# Altium PCB PCB.PcbDoc (part 2 of 3) (continued)
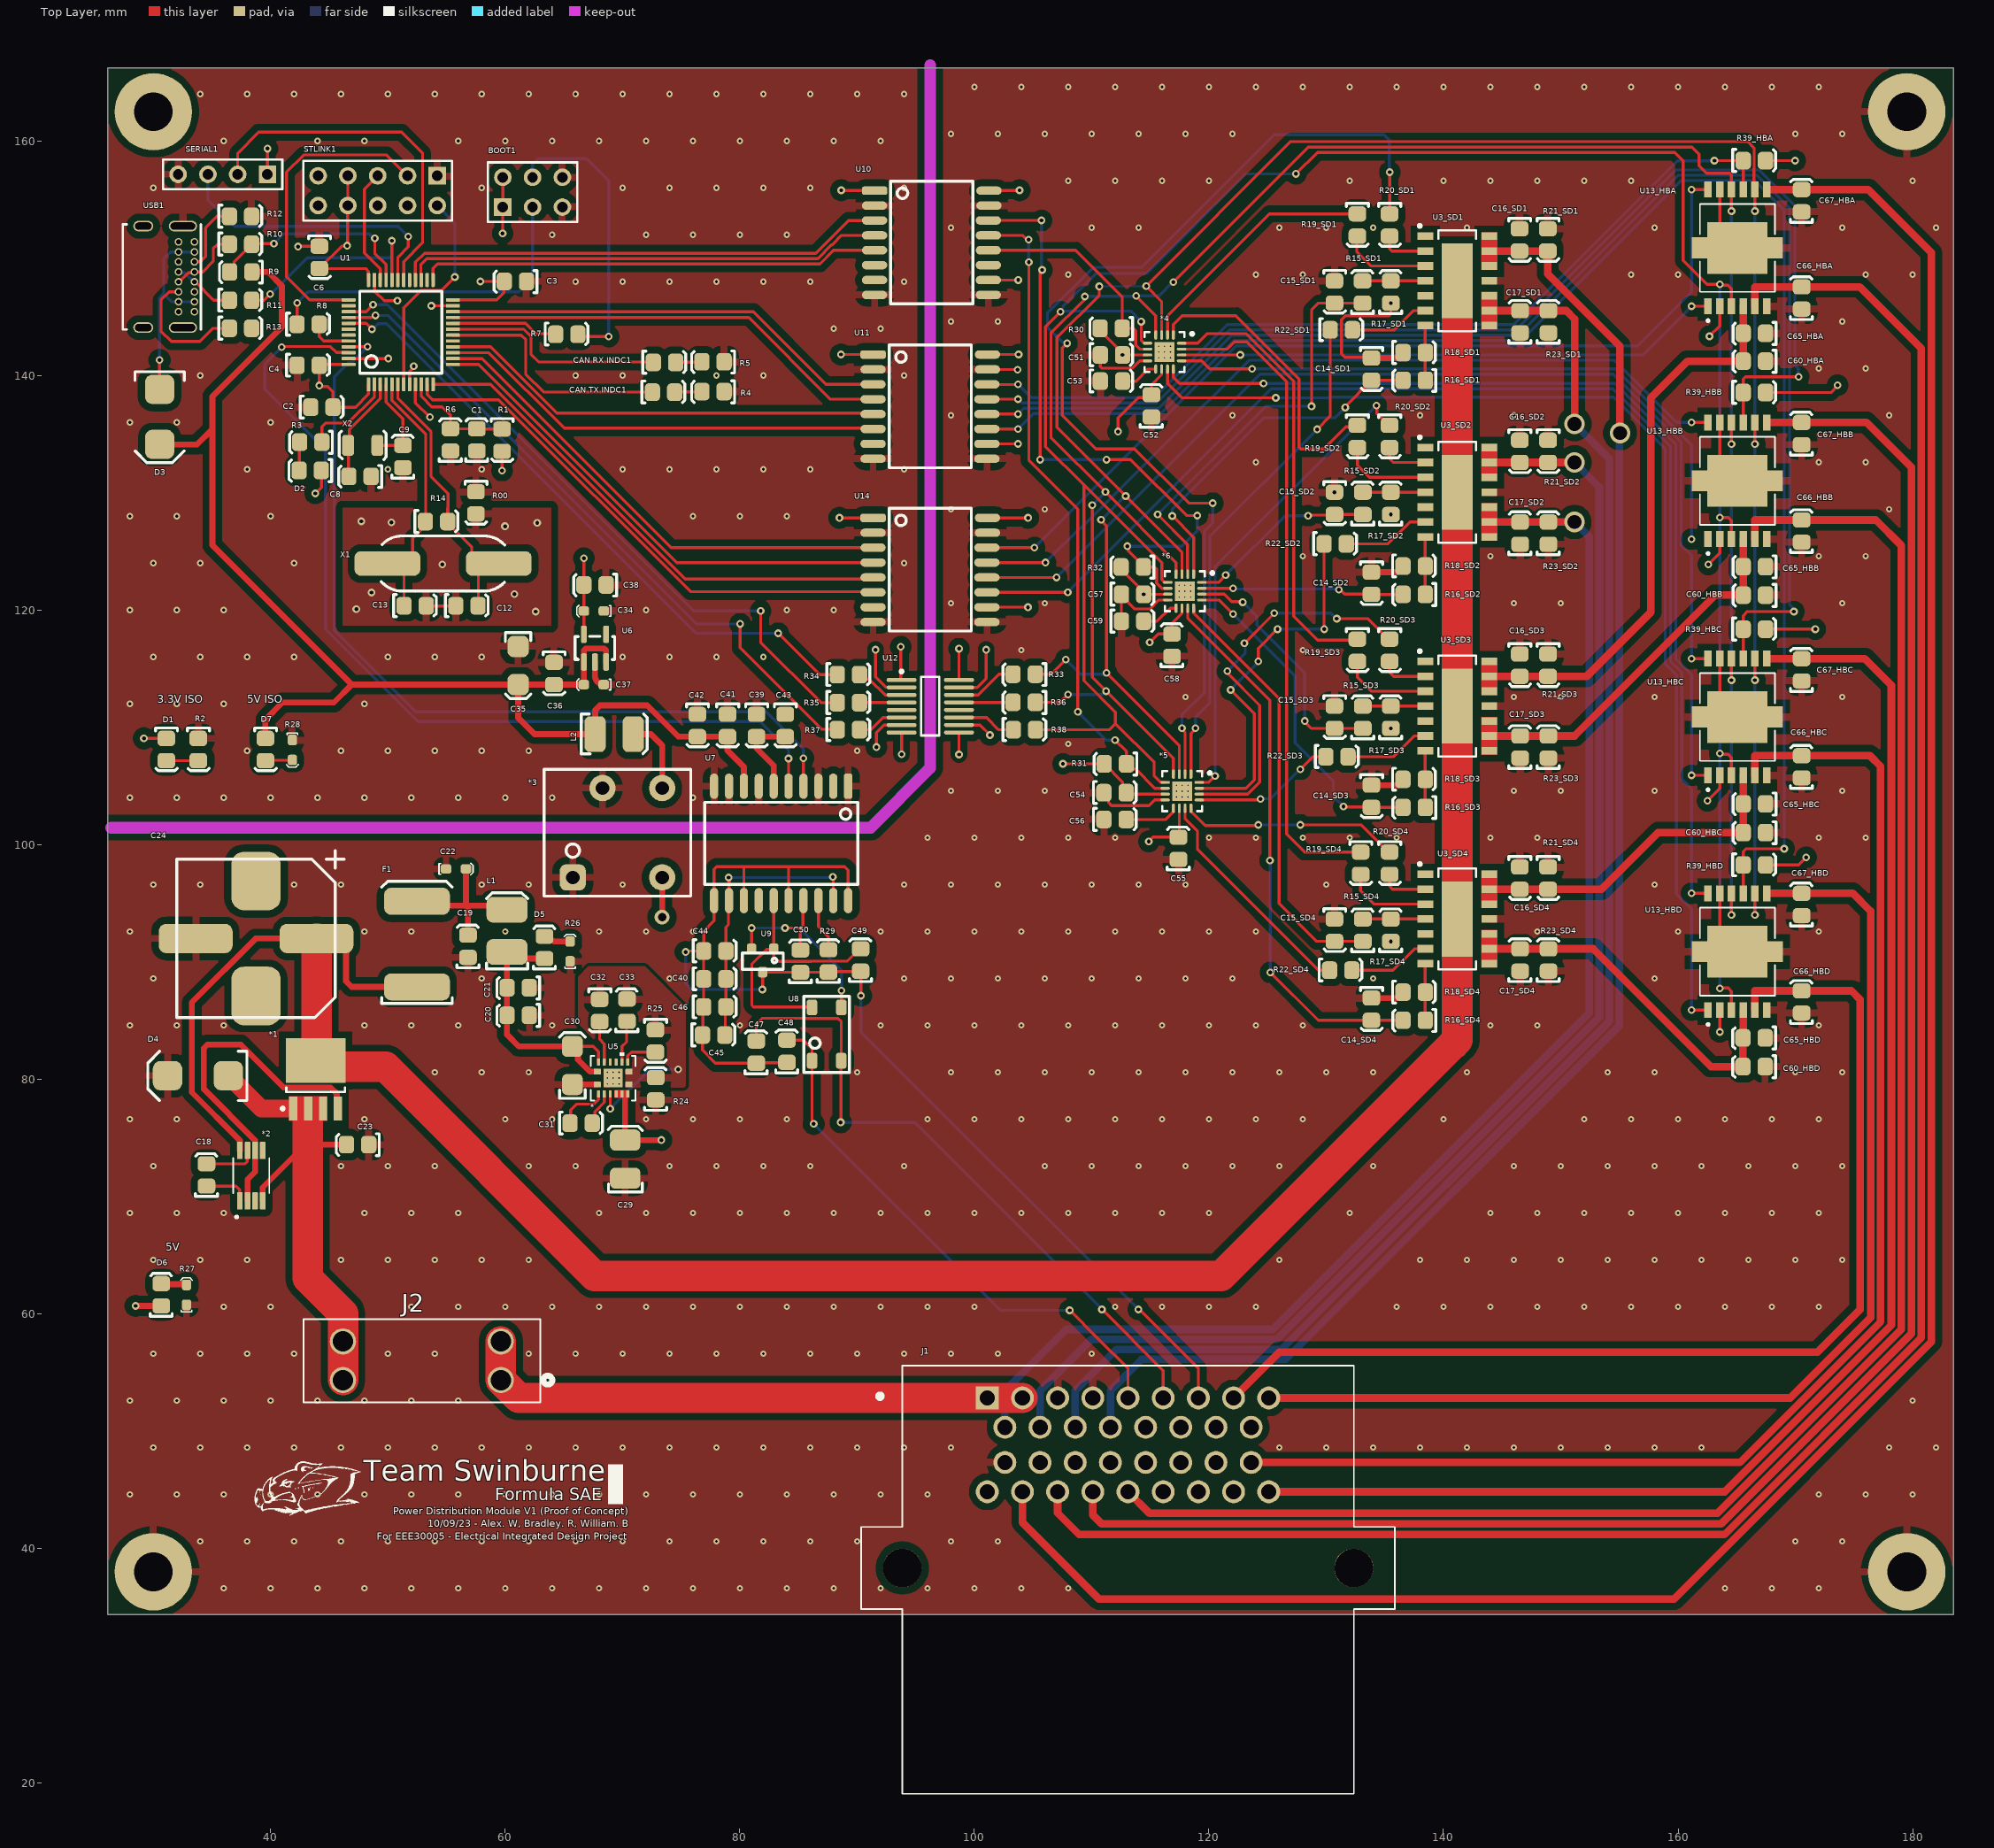
[diagram p0: Top Layer view]
## Nets (pads, with @x,y where several pads share a name; then routed paths per layer and width w, separated by ;. In a path a pad name is that pad's centre, name@x,y a point inside that pad or via, vN(x,y) a via of type N, cw(c..) or ccw(c..) an arc to the next point about the centre after c; other vN are vias at no path point) (continued)
  Top Layer w0.5: R33.1@105.197,114.532 R33.1@105.2,114.529
  Bottom Layer w0.15: v2@110.675,147.627 v2(114.65,147.627)
  Bottom Layer w0.25: v2(107.8,115.775) 109.049,114.526 v2@111.105,114.526 ; v2(110.803,127.699) 110.838,127.699 112.865,129.727 v2(112.9,129.727) ; v2(166.556,94.002) v2(166.556,114.027) v2(166.556,134.152) v2(166.556,154.027)
  Bottom Layer w0.5: v2(110.65,147.602) v2@110.675,147.627 ; v2@111.105,114.526 111.232,114.652 v2(111.275,114.652)
"MOSI (ISO)": R34.1 U1.41 | length 54.5
  Top Layer w0.25: U1.41@46.577,144.449 U1.41@46.64,144.449 48.126,144.449 v2(48.625,143.95) ; v2(83.277,118.03) 86.806,114.501 R34.1@88.31,114.501
  Bottom Layer w0.25: v2(48.625,143.95) 48.69,143.95 49.156,144.416 49.866,144.416 76.252,118.03 v2(83.277,118.03)
Net*1_1: *1.1 *1.2 *1.3 *2.4 C23.2 D4.A J2.3 J2.4 | length 39.4
  Top Layer w0.5: *2.4@39.317,69.627 39.317,70.767 41.956,73.406 43.15,73.406 ; 44.17,74.426 C23.2@46.462,74.426
  Top Layer w1.5: D4.A@36.4,80.302 39.2,77.502 *1.1@41.92,77.502 *1.2@43.19,77.502
  Top Layer w2.6: 43.15,76.225 43.15,73.406 43.15,63.025 46.163,60.012 J2.4@46.163,57.65 J2.3@46.163,54.348
Net*1_4: *1.4 *2.2 *2.6 | length 29.6
  Top Layer w0.5: *2.2@38.017,69.627 38.017,71.448 38.667,72.098 *2.6@38.667,73.927 38.66,73.935 38.66,74.794 34.3,79.153 34.3,82.659 34.593,82.952 37.456,82.952 41.108,79.3 45.127,79.3 45.63,78.797 45.63,77.602 *1.4@45.73,77.502
Net*2_1: *2.1 C18.1 | length 3.9
  Top Layer w0.25: C18.1@34.526,70.89 37.035,70.89 37.348,70.578 37.348,69.647 *2.1@37.367,69.627
Net*2_7: *2.7 C18.2 | length 4.5
  Top Layer w0.25: C18.2@34.526,72.79 37.815,72.79 37.999,72.974 37.999,73.909 *2.7@38.017,73.927
Net*3_5: *3.5 L2.2 | length 6.5
  Top Layer w0.5: L2.2@70.915,109.425 72.425,109.425 73.375,108.475 *3.5@73.375,104.827
Net*4_8: *4.8 C53.2 | length 3.3
  Top Layer w0.25: C53.2@112.638,139.526 113.799,139.526 114.83,140.557 *4.8@115.465,140.557
Net*5_8: *5.8 C56.2 | length 4.3
  Top Layer w0.25: C56.2@112.94,102.146 116.319,102.146 *5.8@117,102.827
Net*6_8: *6.8 C59.2 | length 3.2
  Top Layer w0.25: C59.2@114.437,119.051 115.574,119.051 116.684,120.161 *6.8@117.194,120.161
NetC19_2: C19.2 C22.2 F1.2 L1.2 | length 13.7
  Top Layer w0.5: F1.2@52.475,95.177 52.838,94.815 56.768,94.815 ; C22.2@56.65,97.927 56.65,94.932 56.768,94.815 ; C19.2@56.826,92.29 56.826,94.756 56.768,94.815 ; L1.2@60.15,94.452 59.787,94.815 56.768,94.815
NetC31_1: C31.1 U5.1 | length 4.4
  Top Layer w0.25: C31.1@65.518,76.249 65.574,76.305 65.574,77.374 66.075,77.875 67.55,77.875 67.948,78.273 67.948,78.748 U5.1@67.95,78.75
NetC31_2: C31.2 U5.2 | length 2.9
  Top Layer w0.25: C31.2@67.418,76.249 67.647,76.477 67.647,77.227 68.45,78.031 U5.2@68.45,78.75
NetC32_2: C32.2 U5.13 | length 3.6
  Top Layer w0.25: C32.2@68.049,84.912 68.049,83.401 68.45,83 U5.13@68.45,81.45
NetC33_1: C33.1 U5.10 | length 3.7
  Top Layer w0.25: U5.10@69.95,81.45 69.95,82.8 70.35,83.2 70.35,84.91 C33.1@70.376,84.936
NetC40_2: C40.2 C44.2 C45.2 C46.2 U7.12 U7.19 | length 24.5
  Top Layer w0.25: C45.2@78.713,83.776 78.763,83.826 78.763,86.113 C46.2@78.813,86.163 C40.2@78.813,88.55 C44.2@78.813,90.937 78.813,92.965 79.025,93.177 79.025,95.183 U7.12@79.076,95.234 79.076,97.175 v2@79.05,97.201 ; v2(87.925,97.252) 87.966,97.21 U7.19@87.966,95.234
  Bottom Layer w0.25: v2(79.05,97.202) 87.874,97.202 v2(87.925,97.252)
NetC49_2: C49.2 U7.15 U8.4 U9.1 | length 24.1
  Top Layer w0.25: U7.15@82.886,95.234 82.893,95.226 82.893,91.134 U9.1@82.901,91.127 ; U8.4@86.15,86.127 86.125,86.152 81.171,86.152 81.025,86.298 81.025,89.827 82.272,91.074 82.848,91.074 U9.1@82.901,91.127 ; C49.2@90.301,91.115 90.201,91.115 89.154,90.067 86.068,90.067 86.052,90.052 83.075,90.052 82.901,90.226 U9.1@82.901,91.127
NetC50_2: C50.2 U7.17 U8.3 U9.2 | length 19.7
  Top Layer w0.25: U9.2@81.001,91.127 v2@81,92.752 ; v2(83.85,92.9) 85.229,92.9 85.375,93.046 85.375,95.183 U7.17@85.426,95.234 ; C50.2@85.164,91.015 85.164,92.866 ; U8.3@88.65,86.127 88.662,86.14 88.662,87.538 v2(88.675,87.55)
  Bottom Layer w0.25: v2@81,92.752 81.111,92.752 81.259,92.9 v2(83.85,92.9) 85.055,92.9 88.675,89.28 v2(88.675,87.55)
  other v2: 81,92.9
"NetCAN RX INDC1_K": "CAN RX INDC1.K" R5.2 | length 2.3
  Top Layer w0.25: 74.525,141.121 74.551,141.147 76.734,141.147 R5.2@76.76,141.173
"NetCAN TX INDC1_K": "CAN TX INDC1.K" R4.2 | length 2.3
  Top Layer w0.25: 74.445,138.581 74.472,138.607 76.734,138.607 R4.2@76.76,138.633
NetD1_K: D1.K R2.2 | length 2.7
  Top Layer w0.25: D1.K@31.098,107.162 R2.2@33.824,107.162
NetD2_K: D2.K R3.2 | length 2.4
  Top Layer w0.25: D2.K@42.421,131.914 42.445,131.938 42.445,134.303 R3.2@42.469,134.327
NetD3_A: D3.A USB1.A4 USB1.A9 USB1.B4 USB1.B9 | length 17
  Top Layer w0.25: D3.A@30.525,138.825 v2(30.525,141.325)
  Bottom Layer w0.25: v2(30.525,141.325) 30.525,146.625 30.875,146.975 ; USB1.A9@33.49,146.293 USB1.B4@32.141,146.293 31.557,146.293 30.875,146.975 ; USB1.A4@33.49,150.543 31.468,150.543 30.875,149.95 30.875,146.975
NetD5_K: D5.K R26.2 | length 2.4
  Top Layer w0.5: D5.K@63.351,92.19 63.705,91.836 64.06,91.836 64.144,91.752 R26.2@65.525,91.752
NetD6_K: D6.K R27.2 | length 2.2
  Top Layer w0.5: D6.K@30.675,62.575 30.732,62.518 32.767,62.518 R27.2@32.824,62.462
NetD7_K: D7.K R28.2 | length 2.3
  Top Layer w0.25: D7.K@39.549,107.162 39.58,107.194 41.819,107.194 R28.2@41.85,107.225
NetR7_1: R7.1 U1.20 | length 9.2
  Top Layer w0.25: U1.20@55.477,144.449 61.713,144.449 62.59,143.572 64.237,143.572 R7.1@64.289,143.52
NetR8_2: R8.2 U1.44 | length 3.6
  Top Layer w0.25: R8.2@44.138,144.374 44.138,143.337 44.526,142.949 U1.44@46.577,142.949
NetR10_1: R10.1 USB1.A6 USB1.B6 | length 6.3
  Top Layer w0.25: USB1.B6@32.141,147.993 32.21,147.993 32.983,148.766 33.414,148.766 USB1.A6@33.49,148.843 34.218,148.843 35.1,149.725 35.1,150.825 35.467,151.192 R10.1@36.476,151.192
NetR11_1: R11.1 USB1.A7 USB1.B7 | length 5.3
  Top Layer w0.25: USB1.A7@33.49,147.993 33.559,147.993 35.135,146.417 R11.1@36.476,146.417
  Bottom Layer w0.25: USB1.B7@32.141,148.843 32.217,148.766 32.648,148.766 33.421,147.993 USB1.A7@33.49,147.993
NetR12_1: R12.1 USB1.A5 | length 6
  Top Layer w0.25: USB1.A5@33.49,149.693 33.993,149.693 34.444,150.144 34.444,152.594 35.429,153.579 R12.1@36.476,153.579
NetR13_1: R13.1 USB1.B5 | length 11.1
  Top Layer w0.25: USB1.B5@32.141,147.143 31.343,147.143 30.65,146.45 30.65,143.775 31.525,142.9 33.95,142.9 35.08,144.03 R13.1@36.476,144.03
NetR15_SD1_2: R15_SD1.2 R17_SD1.2 U3_SD1.4 | length 5.3
  Top Layer w0.25: R15_SD1.2@133.106,148.077 R17_SD1.2@135.507,148.077 U3_SD1.4@138.445,148.077
NetR15_SD2_2: R15_SD2.2 R17_SD2.2 U3_SD2.4 | length 5.3
  Top Layer w0.25: R15_SD2.2@133.122,130.052 R17_SD2.2@135.507,130.052 U3_SD2.4@138.445,130.052
NetR15_SD3_2: R15_SD3.2 R17_SD3.2 U3_SD3.4 | length 5.3
  Top Layer w0.25: R15_SD3.2@133.122,111.816 R17_SD3.2@135.507,111.816 U3_SD3.4@138.445,111.816
NetR15_SD4_2: R15_SD4.2 R17_SD4.2 U3_SD4.4 | length 5.3
  Top Layer w0.25: R15_SD4.2@133.122,93.66 R17_SD4.2@135.507,93.66 U3_SD4.4@138.445,93.66
NetR16_SD1_1: R16_SD1.1 R18_SD1.2 U3_SD1.7 | length 4.7
  Top Layer w0.25: R16_SD1.1@138.444,139.594 R18_SD1.2@138.444,141.955 U3_SD1.7@138.445,144.267
NetR16_SD2_1: R16_SD2.1 R18_SD2.2 U3_SD2.7 | length 4.9
  Top Layer w0.25: R16_SD2.1@138.445,121.339 R18_SD2.2@138.445,123.752 U3_SD2.7@138.445,126.242
NetR16_SD3_1: R16_SD3.1 R18_SD3.2 U3_SD3.7 | length 4.8
  Top Layer w0.25: R16_SD3.1@138.445,103.178 R18_SD3.2@138.445,105.567 U3_SD3.7@138.445,108.006
NetR16_SD4_1: R16_SD4.1 R18_SD4.2 U3_SD4.7 | length 4.8
  Top Layer w0.25: R16_SD4.1@138.445,85.028 R18_SD4.2@138.445,87.419 U3_SD4.7@138.445,89.85
NetR19_SD1_2: R19_SD1.2 U3_SD1.3 | length 7.7
  Top Layer w0.25: R19_SD1.2@132.655,151.887 132.606,151.838 132.606,150.55 133.809,149.347 U3_SD1.3@138.445,149.347
NetR19_SD2_2: R19_SD2.2 U3_SD2.3 | length 7.7
  Top Layer w0.25: R19_SD2.2@132.655,133.862 132.655,132.347 133.68,131.322 U3_SD2.3@138.445,131.322
NetR19_SD3_2: R19_SD3.2 U3_SD3.3 | length 7.6
  Top Layer w0.25: R19_SD3.2@132.655,115.626 132.655,114.272 133.841,113.086 U3_SD3.3@138.445,113.086
NetR19_SD4_2: R19_SD4.2 U3_SD4.3 | length 7.4
  Top Layer w0.25: R19_SD4.2@132.936,97.47 132.936,96.091 134.097,94.93 U3_SD4.3@138.445,94.93
NetR20_SD1_2: R20_SD1.2 U3_SD1.2 | length 4.2
  Top Layer w0.25: R20_SD1.2@135.405,151.887 135.405,150.801 135.589,150.617 U3_SD1.2@138.445,150.617
NetR20_SD2_2: R20_SD2.2 U3_SD2.2 | length 4.1
  Top Layer w0.25: R20_SD2.2@135.405,133.862 135.405,132.897 135.71,132.592 U3_SD2.2@138.445,132.592
NetR20_SD3_2: R20_SD3.2 U3_SD3.2 | length 4.1
  Top Layer w0.25: R20_SD3.2@135.405,115.626 135.405,114.697 135.746,114.356 U3_SD3.2@138.445,114.356
NetR20_SD4_2: R20_SD4.2 U3_SD4.2 | length 4.2
  Top Layer w0.25: R20_SD4.2@135.405,97.47 135.405,96.447 135.652,96.2 U3_SD4.2@138.445,96.2
NetR22_SD1_2: R22_SD1.2 U3_SD1.6 | length 7.2
  Top Layer w0.25: R22_SD1.2@131.933,143.899 135.805,143.899 137.443,145.537 U3_SD1.6@138.445,145.537
NetR22_SD2_2: R22_SD2.2 U3_SD2.6 | length 7.5
  Top Layer w0.25: R22_SD2.2@131.713,125.651 135.274,125.651 137.135,127.512 U3_SD2.6@138.445,127.512
NetR22_SD3_2: R22_SD3.2 U3_SD3.6 | length 7.3
  Top Layer w0.25: R22_SD3.2@131.863,107.502 135.75,107.502 137.524,109.276 U3_SD3.6@138.445,109.276
NetR22_SD4_2: R22_SD4.2 U3_SD4.6 | length 7
  Top Layer w0.25: R22_SD4.2@132.188,89.299 135.698,89.3 137.518,91.12 U3_SD4.6@138.445,91.12
NetR25_2: R25.2 U5.9 | length 3
  Top Layer w0.25: U5.9@70.45,81.45 70.452,81.452 70.452,82.002 70.762,82.312 R25.2@72.799,82.312
NetR29_2: R29.2 U7.18 | length 4.5
  Top Layer w0.25: U7.18@86.696,95.234 86.696,93.031 87.551,92.176 R29.2@87.551,91.04
NetR33_2: R33.2 U12.14 | length 5.3
  Top Layer w0.25: U12.14@98.688,112.766 100.314,112.766 102.08,114.532 R33.2@103.297,114.532
NetR34_2: R34.2 U12.3 | length 4.3
  Top Layer w0.254: R34.2@90.21,114.501 90.611,114.1 91.05,114.1 92.384,112.766 U12.3@93.788,112.766
NetR35_2: R35.2 U12.4 | length 3.6
  Top Layer w0.25: R35.2@90.21,112.11 90.226,112.126 U12.4@93.788,112.126
NetR36_2: R36.2 U12.13 | length 4.6
  Top Layer w0.25: U12.13@98.688,112.126 103.281,112.126 R36.2@103.297,112.142
NetR37_2: R37.2 U12.6 | length 4
  Top Layer w0.25: R37.2@90.21,109.801 91.151,109.801 92.196,110.846 U12.6@93.788,110.846
NetR38_1: R38.1 U12.11 | length 5.1
  Top Layer w0.25: U12.11@98.688,110.846 101.031,110.846 102.076,109.801 R38.1@103.321,109.801
NetU1_11: U1.11 U14.6 | length 45.1
  Top Layer w0.25: U1.11@53.34,139.249 53.34,138.376 53.791,137.925 59.436,137.925 75.784,121.577 U14.6@90.575,121.577
NetU1_12: U1.12 U14.5 | length 43.9
  Top Layer w0.25: U1.12@53.84,139.249 58.753,139.249 75.35,122.652 U14.5@90.9,122.652
NetU1_13: U1.13 U14.4 | length 42.1
  Top Layer w0.25: U1.13@55.54,140.949 57.72,140.949 74.612,124.057 90.425,124.057 90.505,123.977 U14.4@90.575,123.977
NetU1_14: U1.14 U14.3 | length 41.9
  Top Layer w0.25: U1.14@55.54,141.449 58.028,141.449 74.15,125.327 90.675,125.327 U14.3@90.75,125.252
NetU1_26: U1.26
NetU1_45: U1.45 U7.4 | length 74
  Top Layer w0.25: U1.45@46.577,142.449 48.249,142.449 v2(48.25,142.45) ; U7.4@85.426,105.477 v2@85.426,107.374
  Bottom Layer w0.25: v2(48.25,142.45) 46.923,141.123 46.673,141.123 45.425,139.875 45.425,118.275 52.375,111.325 82.25,111.325 85.425,108.15 v2(85.425,107.375)
NetU1_46: U1.46 U7.5 | length 79
  Top Layer w0.25: v2(40.925,142.425) 40.975,142.475 45.1,142.475 45.601,141.974 46.615,141.974 U1.46@46.64,141.949 ; v2(84.15,107.35) 84.153,107.347 U7.5@84.153,105.584
  Bottom Layer w0.25: v2(40.925,142.425) 39.5,141 39.5,138.839 44.677,133.662 44.677,118.382 52.559,110.5 81.725,110.5 84.15,108.075 v2(84.15,107.35)
NetU10_6: U10.6
NetU10_11: U10.11
NRST: STLINK1.2 U1.7 | length 18.7
  Top Layer w0.25: U1.7@51.34,139.249 51.34,145.79 52.803,147.253 54.553,147.253 v2(55.7,148.4)
  Bottom Layer w0.25: STLINK1.2@54.202,154.494 55.7,152.996 v2(55.7,148.4)
PC13: R3.1 U1.2 | length 7.9
  Top Layer w0.25: R3.1@44.369,134.327 44.369,135.625 44.696,135.952 46.602,135.952 48.84,138.19 U1.2@48.84,139.249
"PCB TEMP": C1.2 R1.1 R6.2 U1.10 | length 9.7
  Top Layer w0.25: U1.10@52.84,139.249 52.84,138.235 53.737,137.338 54.613,137.338 55.331,136.619 R6.2@55.331,135.463 C1.2@57.576,135.463 57.588,135.451 59.712,135.451 R1.1@59.724,135.439
"PWM 1": U13_HBA.12 U14.14 | length 79.3
  Top Layer w0.25: U14.14@101.064,125.327 v2(105.125,125.327) ; v2(161.15,155.859) U13_HBA.12@162.556,155.859
  Bottom Layer w0.25: v2(105.125,125.327) 122.325,142.527 156.55,142.527 161.15,147.127 v2(161.15,155.859)
"PWM 2": U13_HBB.12 U14.13 | length 70.7
  Top Layer w0.25: U14.13@101.064,124.057 v2(106.055,124.057) ; v2(161.15,136.002) U13_HBB.12@162.556,136.002
  Bottom Layer w0.25: v2@106.15,124.152 108.985,126.987 109.088,126.987 116.243,134.143 116.243,134.148 123.399,141.304 154.573,141.304 159.875,136.002 v2(161.15,136.002)
"PWM 3": U13_HBC.12 U14.12 | length 89
  Top Layer w0.25: U14.12@101.064,122.787 v2(107.01,122.787) ; v2(161.15,115.862) 161.19,115.862 161.2,115.852 161.21,115.862 U13_HBC.12@162.556,115.862
  Bottom Layer w0.25: v2@107.046,122.823 124.347,140.124 154.471,140.124 160.26,134.336 160.26,125.565 161.15,124.675 v2(161.15,115.862)
"PWM 4": U13_HBD.12 U14.11 | length 107.8
  Top Layer w0.25: U14.11@101.064,121.517 v2(107.965,121.517) ; v2(161.15,95.852) U13_HBD.12@162.556,95.852
  Bottom Layer w0.25: v2(107.965,121.517) 125.322,138.874 154.44,138.874 159.353,133.96 159.353,115.649 160.328,114.674 160.328,105.59 161.15,104.768 v2(161.15,95.852)
SCLCK: *4.13 *5.13 *6.13 R36.1 U13_HBA.10 U13_HBB.10 U13_HBC.10 U13_HBD.10 | length 197.7
  Top Layer w0.25: R36.1@105.197,112.142 107.317,112.142 v2(107.975,112.8) ; v2(109.412,146.74) 109.334,146.661 109.334,146.429 106.525,143.62 106.525,134.727 v2(111.175,130.077) 117.194,124.058 *6.13@117.194,123.061 ; v2(110.05,128.952) 110.05,114.277 v2(111.235,113.092) 116.97,107.357 *5.13@116.97,106.012 ; v2(113.8,146.793) 113.8,146.777 115.465,145.112 *4.13@115.465,143.457 ; v2(116.966,147.973) 128.47,159.477 161.198,159.477 161.798,158.877 161.798,157.902 162.448,157.252 164.41,157.252 164.556,157.106 U13_HBA.10@164.556,155.859 v2(164.556,154.027) ; v2(164.556,94.002) U13_HBD.10@164.556,95.852 ; v2(164.556,114.027) U13_HBC.10@164.556,115.862 ; v2(164.556,134.152) U13_HBB.10@164.556,136.002
  Bottom Layer w0.25: v2(107.975,112.8) 110.884,112.8 111.176,113.092 v2(111.235,113.092) ; v2(109.412,146.74) 109.439,146.766 113.773,146.766 v2(113.8,146.793) 115.741,146.793 v2@116.9,147.952 ; v2(110.05,128.952) v2(111.175,130.077) ; v2(164.556,94.002) v2(164.556,114.027) v2(164.556,134.152) v2(164.556,154.027)
"SCLCK (ISO)": R35.1 U1.39 | length 57.5
  Top Layer w0.25: U1.39@46.64,145.449 48.124,145.449 v2(48.725,146.05) ; v2(81.775,119.925) 81.775,117.25 86.915,112.11 R35.1@88.31,112.11
  Bottom Layer w0.25: v2(48.725,146.05) 49.949,146.05 76.074,119.925 v2(81.775,119.925)
"SIG 0V": C32.1 C33.2 R24.2 R25.1 U5.3 U5.7 U5.8 | length 8.5
  Top Layer w0.25: v2(68.95,77.475) U5.3@68.95,78.75
  Bottom Layer w0.25: v2(68.95,77.475) 72.325,80.85 v2(74.75,80.85)
"Smart Driver 1": C16_SD1.2 J1.13 R21_SD1.2 U3_SD1.12 U3_SD1.13 U3_SD1.14 | length 133
  Top Layer w0.65: U3_SD1.13@143.905,150.617 C16_SD1.2@146.482,150.617 R21_SD1.2@148.895,150.617 148.895,148.657 155.05,142.502 v4(155.05,135.102)
  Bottom Layer w0.65: J1.13@111.6,50.325 111.6,53.446 114.269,56.115 126.538,56.115 155,84.577 155,135.052 v4(155.05,135.102)
"Smart Driver 2": C17_SD1.2 J1.12 R23_SD1.2 U3_SD1.8 U3_SD1.9 U3_SD1.10 | length 130.4
  Top Layer w0.65: U3_SD1.9@143.905,145.537 C17_SD1.2@146.534,145.537 R23_SD1.2@148.947,145.537 150.465,145.537 151.175,144.827 v4(151.175,135.877)
  Bottom Layer w0.65: J1.12@108.6,50.325 108.6,53.446 112.122,56.969 126.181,56.969 154.131,84.919 154.131,132.921 v4(151.175,135.877)
"Smart Driver 3": C16_SD2.2 J1.11 R21_SD2.2 U3_SD2.12 U3_SD2.13 U3_SD2.14 | length 119.4
  Top Layer w0.65: U3_SD2.13@143.905,132.592 C16_SD2.2@146.503,132.592 R21_SD2.2@148.916,132.592 v4(151.175,132.592)
  Bottom Layer w0.65: J1.11@105.6,50.325 105.6,53.446 109.975,57.822 125.801,57.822 153.278,85.299 153.278,130.489 v4(151.175,132.592)
"Smart Driver 4": C17_SD2.2 J1.10 R23_SD2.2 U3_SD2.8 U3_SD2.9 U3_SD2.10 | length 115.9
  Top Layer w0.65: U3_SD2.9@143.905,127.512 C17_SD2.2@146.534,127.512 v4(151.165,127.512)
  Bottom Layer w0.65: J1.10@102.6,50.325 102.6,52.204 102.6,53.446 107.829,58.675 125.448,58.675 152.425,85.652 152.425,126.252 v4(151.165,127.512)
"SMRT DRV CTRL CH1": *5.15 R20_SD1.1 | length 92
  Top Layer w0.25: v2(107.9,142.75) 107.503,142.353 107.503,136.618 110.371,133.75 113.65,133.75 118.275,129.125 v2(120.325,129.125) ; v2(117.7,109.925) 117.7,109.814 117.97,109.544 *5.15@117.97,106.012 ; R20_SD1.1@135.405,153.787 135.423,153.805 v2(135.423,157.342)
  Bottom Layer w0.25: v2(107.9,142.75) 107.822,142.828 107.522,142.828 106.225,144.125 106.225,145.325 110.125,149.225 114.25,149.225 125.55,160.525 134.931,160.525 135.375,160.081 v2@135.375,157.225 ; v2(117.7,109.925) 117.7,111.05 119.6,112.95 119.6,126.725 120.325,127.45 v2(120.325,129.125)
"SMRT DRV CTRL CH2": *5.16 R22_SD1.1 | length 42.6
  Top Layer w0.25: *5.16@118.47,106.012 118.47,109.495 v2@118.8,109.825 ; v2(129.224,135.416) 130.338,136.531 R22_SD1.1@130.338,143.899
  Bottom Layer w0.25: v2(118.848,109.942) 118.848,110.873 120.072,112.097 120.072,126.264 129.107,135.299 v2@129.176,135.299
"SMRT DRV CTRL CH3": *5.1 R20_SD2.1 | length 41.1
  Top Layer w0.25: *5.1@119.17,105.312 119.987,105.312 v2(120.525,105.85) ; v2(134.275,137.45) 134.322,137.403 134.322,136.745 135.305,135.762 R20_SD2.1@135.405,135.762
  Bottom Layer w0.25: v2(120.525,105.85) 120.525,123.7 v2(134.275,137.45)
"SMRT DRV CTRL CH4": *5.2 R22_SD2.1 | length 31.1
  Top Layer w0.25: *5.2@119.17,104.812 123.157,104.812 123.872,105.527 123.872,111.18 v2(121.85,113.202) ; v2(124.205,115.626) 124.205,116.73 v2(125.85,118.375) ; R22_SD2.1@129.813,125.649 129.813,118.387 v2(129.825,118.375)
  Bottom Layer w0.25: v2(121.85,113.202) v2@124.157,115.509 ; v2(125.85,118.375) 129.437,118.375
"SMRT DRV CTRL CH5": *5.3 R20_SD3.1 | length 33.5
  Top Layer w0.25: *5.3@119.17,104.312 123.31,104.312 124.325,105.327 124.325,111.877 v2@121.525,114.677 ; v2(123.025,117.175) 125.575,119.725 v2(125.575,119.75) ; v2(130.898,119.269) 133.562,119.269 135.305,117.526 R20_SD3.1@135.405,117.526
  Bottom Layer w0.25: v2(121.573,114.794) 121.573,114.819 123.099,116.345 123.099,117.101 v2(123.025,117.175) ; v2(125.575,119.75) 130.382,119.75 130.863,119.269 v2(130.898,119.269)
"SMRT DRV CTRL CH6": *5.4 R22_SD3.1 | length 12.3
  Top Layer w0.25: *5.4@119.199,103.812 124.199,103.812 124.289,103.902 v2(124.4,103.902) ; v2(127.787,106.433) 128.853,107.499 R22_SD3.1@129.963,107.499
  Bottom Layer w0.25: v2(124.4,103.902) 124.407,103.909 125.216,103.909 127.74,106.433 v2(127.787,106.433)
"SMRT DRV CTRL CH7": *5.5 R20_SD4.1 | length 18.7
  Top Layer w0.25: *5.5@118.47,103.112 118.47,102.837 119.68,101.627 124.148,101.627 v2(124.214,101.693) ; v2(127.787,101.694) 132.981,101.694 135.305,99.37 R20_SD4.1@135.405,99.37
  Bottom Layer w0.25: v2(124.214,101.693) v2(127.787,101.694)
"SMRT DRV CTRL CH8": *5.6 R22_SD4.1 | length 19.5
  Top Layer w0.25: *5.6@117.97,103.112 117.97,102.18 119.025,101.125 119.025,99.6 129.326,89.299 R22_SD4.1@130.288,89.299
"SMRT DRV CTRL CS (ISO)": U1.27 U10.4 | length 40.7
  Top Layer w0.25: U1.27@52.85,148.525 52.85,148.607 52.805,148.652 52.805,149.48 53.302,149.977 86.648,149.977 87.808,151.137 87.857,151.137 88.674,151.954 U10.4@91.489,151.954
"SMRT DRV CTRL CS (NON ISO)": *5.11 R31.1 U10.13 | length 56.5
  Top Layer w0.25: U10.13@101.191,151.954 104.098,151.954 v2@104.575,151.477 ; v2(104.648,149.669) 104.648,132.776 108.825,128.599 v2(108.825,111.325) ; v2(111.998,108.919) 112.964,107.953 R31.1@112.964,106.897 113.414,106.447 113.753,106.447 115.388,104.812 *5.11@116.27,104.812
  Bottom Layer w0.25: v2@104.6,149.552 104.623,149.575 v2(104.623,151.594) ; v2(108.825,111.325) 111.231,108.919 111.833,108.919 v2@111.95,108.802
"SMRT DRV DIG CS (ISO)": U1.25 U10.5 | length 39.3
  Top Layer w0.25: U1.25@53.84,148.149 53.84,149.131 54.232,149.524 86.835,149.524 87.996,150.684 U10.5@91.489,150.684
"SMRT DRV DIG CS (NON ISO)": *4.11 R30.1 U10.12 | length 19.3
  Top Layer w0.25: U10.12@101.191,150.684 108.618,150.684 112.614,146.688 R30.1@112.614,144.028 113.524,144.028 113.75,143.802 113.75,142.602 114.095,142.257 *4.11@114.765,142.257
SWCLK: STLINK1.3 U1.37 | length 26.6
  Top Layer w0.25: U1.37@46.577,146.449 43.324,146.449 41.35,148.423 41.35,157.35 42.812,158.812 49.884,158.812 STLINK1.3@51.662,157.034
SWDIO: STLINK1.5 U1.34 | length 10.2
  Top Layer w0.25: STLINK1.5@49.122,157.034 47.979,155.891 47.979,150.446 49.34,149.085 U1.34@49.34,148.149 U1.34@49.315,148.38
"UART RX": SERIAL1.3 U1.31 | length 24.6
  Top Layer w0.25: U1.31@50.84,148.149 50.84,150.09 51.725,150.975 v2(51.725,151.85)
  Bottom Layer w0.25: SERIAL1.3@34.644,157.161 34.644,155.002 36.93,152.716 50.859,152.716 v2(51.725,151.85)
"UART TX": SERIAL1.2 U1.30 | length 30.5
  Top Layer w0.25: SERIAL1.2@37.184,157.161 37.184,158.959 38.975,160.75 51.175,160.75 52.95,158.975 52.95,151.325 51.34,149.715 U1.30@51.34,148.149
USBDM: R11.2 U1.32 | length 18
  Top Layer w0.25: R11.2@38.376,146.417 39.417,146.417 v2(39.95,146.95) ; v2(50.325,151.5) 50.332,151.493 50.332,148.331 U1.32@50.345,148.318
  Bottom Layer w0.25: v2(39.95,146.95) 40.015,146.95 43.114,150.049 50.129,150.049 50.325,150.245 v2(50.325,151.5)
USBDP: R9.2 R10.2 U1.33 | length 17.6
  Top Layer w0.249: R9.2@36.5,148.836 36.88,149.216 36.88,149.696 38.434,151.25 v2(40.275,151.25) ; v2(48.875,151.7) 48.875,150.425 49.84,149.46 U1.33@49.84,148.652
  Bottom Layer w0.249: v2(40.275,151.25) 41.1,152.075 48.389,152.075 48.764,151.7 v2(48.875,151.7)
XTALA: C13.1 R14.1 U1.5 X1.1 | length 21.9
  Top Layer w0.25: X1.1@49.95,123.975 X1.1@50.468,123.975 ; U1.5@50.34,139.249 50.34,137.89 53.213,135.017 R14.1@53.213,127.574 ; C13.1@51.363,120.374 51.363,123.08 X1.1@50.468,123.975 ; R14.1@52.787,127.147 52.787,126.812 52.1,126.125 52.1,124.87 51.205,123.975 X1.1@50.468,123.975
XTALB: C12.2 R14.2 U1.6 X1.2 | length 24.8
  Top Layer w0.25: U1.6@50.84,139.249 50.84,138.031 53.675,135.196 53.675,131.383 55.113,129.945 R14.2@55.088,127.549 55.113,128.674 ; R14.2@55.088,127.449 57.137,125.4 57.137,124.87 58.031,123.975 X1.2@58.608,123.975 ; C12.2@57.713,120.299 57.713,123.08 X1.2@58.608,123.975 ; X1.2@59.45,123.975 X1.2@58.608,123.975
XTALC: C8.2 U1.3 X2.1 | length 9
  Top Layer w0.25: C8.2@46.66,131.406 46.627,131.439 46.627,134.014 X2.1@46.594,134.047 46.709,134.162 46.709,135.418 49.34,138.049 U1.3@49.34,139.249
XTALD: C9.2 U1.4 X2.2 | length 8
  Top Layer w0.25: X2.2@49.094,134.047 C9.2@51.276,134.047 51.276,136.313 49.84,137.749 U1.4@49.84,139.249
pads on no net: *2.3 *2.5 *4.17 *5.17 *6.17 C24.0 J1. J1.14 J1.15 J1.16 J1.17 J1.22 J1.23 J1.24 J1.26 J1.31 J1.32 J1.33 STLINK1.4 STLINK1.6 STLINK1.9 STLINK1.10 U1.17 U1.29 U1.38 U1.42 U1.43 U3_SD1.1 U3_SD1.5 U3_SD2.1 U3_SD2.5 U3_SD3.1 U3_SD3.5 U3_SD4.1 U3_SD4.5 U5.11 U5.12 U6.4 U7.2 U7.14 U10.7 U11.7 U12.5 U12.12 U14.7 USB1.A8 USB1.B8 USB1.P2 USB1.P3 USB1.P4
copper on no net:
  other v3: 68.7,79.6 69.2,79.6 69.7,79.6 68.7,80.1 69.2,80.1 69.7,80.1 68.7,80.6 69.2,80.6 69.7,80.6 117.22,104.062 117.72,104.062 118.22,104.062 117.22,104.562 117.72,104.562 118.22,104.562 117.22,105.062 117.72,105.062 118.22,105.062 117.444,121.111 117.944,121.111 118.444,121.111 117.444,121.611 117.944,121.611 118.444,121.611 117.444,122.111 117.944,122.111 118.444,122.111 115.715,141.507 116.215,141.507 116.715,141.507 115.715,142.007 116.215,142.007 116.715,142.007 115.715,142.507 116.215,142.507 116.715,142.507

## Polygon pours and split planes (outlines as drawn)
0V on Top Layer "0V_L01_P014" (solid, remove dead copper, pour order 14): 97.334,166.225 97.334,106.525 cw(c96.225,106.525) 97.01,105.74 91.935,100.665 cw(c91.15,101.45) 91.15,100.341 26.75,100.341 26.75,100.35 26.1,100.35 26.1,34.352 183.5,34.352 183.5,166.225
"SIG 0V" on Top Layer "SIG_0V_L01_P008" (solid, remove dead copper, pour order 8): 70.309,79.296 75.221,79.296 75.375,79.45 75.375,86.15 71.9,89.625 67.1,89.625 66.2,88.725 66.2,84.75 68.323,82.627 68.323,81.177 70.077,81.177 70.245,81.009 70.245,79.36 ccw(c70.309,79.36)
"0V (ISO)" on Top Layer "0V_(ISO)_L01_P012" (solid, remove dead copper, pour order 12): 26.1,166.225 95.217,166.225 95.217,107.017 90.675,102.475 26.1,102.475 26.1,102.477
"0V 8MHZ ISO" on Top Layer "0V_8MHZ_ISO_L01_P006" (solid, remove dead copper, pour order 6): 63.9,128.725 63.9,118.69 46.125,118.69 46.125,128.725
"0V (ISO)" on Bottom Layer "0V_(ISO)_L04_P017" (solid, remove dead copper, pour order 17): 26.1,166.225 95.217,166.225 95.217,107.017 90.675,102.475 26.1,102.475 26.1,102.477
"0V 8MHZ ISO" on Bottom Layer "0V_8MHZ_ISO_L04_P016" (solid, remove dead copper, pour order 16): 63.9,128.725 63.9,118.69 46.125,118.69 46.125,128.725
"SIG 0V" on Bottom Layer "SIG_0V_L04_P015" (solid, remove dead copper, pour order 15): 70.309,79.296 75.221,79.296 75.375,79.45 75.375,86.15 71.9,89.625 67.1,89.625 66.2,88.725 66.2,84.75 68.323,82.627 68.323,81.177 70.077,81.177 70.245,81.009 70.245,79.36 ccw(c70.309,79.36)
0V on Bottom Layer "0V_L04_P009" (solid, remove dead copper, pour order 9): 97.334,166.225 97.334,106.525 cw(c96.225,106.525) 97.01,105.74 91.935,100.665 cw(c91.15,101.45) 91.15,100.341 26.75,100.341 26.75,100.35 26.1,100.35 26.1,34.352 183.5,34.352 183.5,166.225
"0V 8MHZ ISO" on GND (split plane): 63.898,118.702 46.152,118.702 46.152,128.698 63.898,128.698
"0V (ISO)" on GND (split plane): 95.123,106.982 90.693,102.552 26.61,102.552 26.61,165.715 95.123,165.715
0V on GND (split plane): 182.99,34.862 26.61,34.862 26.61,100.348 91.15,100.348 91.294,100.357 91.435,100.385 91.572,100.432 91.701,100.495 91.821,100.575 91.929,100.671 97.004,105.746 97.1,105.854 97.18,105.974 97.243,106.103 97.29,106.24 97.318,106.381 97.327,106.525 97.327,165.715 182.99,165.715
"3.3V (ISO)" on Power (split plane): 95.123,106.982 90.693,102.552 26.61,102.552 26.61,165.715 95.123,165.715
5V on Power (split plane): 182.99,34.862 26.61,34.862 26.61,100.348 91.15,100.348 91.294,100.357 91.435,100.385 91.572,100.432 91.701,100.495 91.821,100.575 91.929,100.671 97.004,105.746 97.1,105.854 97.18,105.974 97.243,106.103 97.29,106.24 97.318,106.381 97.327,106.525 97.327,165.715 182.99,165.715

## Keep-outs
Keep-Out Layer:
  lines w1: 26.38,101.45 91.15,101.45 96.225,106.525 96.225,166.475

## Other copper
Top Layer:
  region net 5V: 69.355,79.055 70.545,79.055 cw(c70.545,79.023) 70.577,79.023 70.577,78.477 cw(c70.545,78.477) 70.545,78.445 69.355,78.445 cw(c69.355,78.477) 69.323,78.477 69.323,79.023 cw(c69.355,79.023)
  region net "H Bridge A Power": 143.235,115.951 143.235,112.761 144.575,112.761 144.575,115.951
  region net "H Bridge B Power": 143.235,110.871 143.235,107.681 144.575,107.681 144.575,110.871
  region net "H Bridge C Power": 143.235,94.605 143.235,97.795 144.575,97.795 144.575,94.605
  region net "H Bridge D Power": 143.235,89.525 143.235,92.715 144.575,92.715 144.575,89.525
  region net "Smart Driver 4": 143.235,129.107 143.235,125.917 144.575,125.917 144.575,129.107
  region net "Smart Driver 2": 143.234,143.942 144.574,143.942 144.574,147.132 143.234,147.132
  region net "Smart Driver 1": 143.234,152.212 143.234,149.022 144.574,149.022 144.574,152.212
  region net Net*1_1: 41.57,78.527 44.81,78.527 44.81,76.477 41.57,76.477
  region net "Smart Driver 3": 143.235,134.187 143.235,130.997 144.575,130.997 144.575,134.187
Power (plane layer: these items are gaps in the copper):
  lines w2.2: 23.3,101.45 91.15,101.45 96.225,106.525 96.225,166.7
GND (plane layer: these items are gaps in the copper):
  lines w0.65: 45.825,118.629 ccw(c46.079,118.629) 46.079,118.375 63.971,118.375 ccw(c63.971,118.629) 64.225,118.629 64.225,128.771 ccw(c63.971,128.771) 63.971,129.025 46.079,129.025 ccw(c46.079,128.771) 45.825,128.771 45.825,118.629
  lines w2.2: 23.3,101.45 91.15,101.45 96.225,106.525 96.225,167.3

## Silkscreen, mask and mechanical layers (free items; w line width, h text height)
Top Overlay:
  drawing of 20 lines, arcs and shapes, not listed
  text "3.3V ISO" at 30.325,112.075 h0.65
  text "5V ISO" at 37.975,112.075 h0.65
  text "5V" at 31.05,65.375 h0.65
  text "Team Swinburne" at 47.928,45.152 h3.05
  text "Formula SAE" at 59.104,43.755 h1.78
  text "Power Distribution Module V1 (Proof of Concept)" at 50.461,42.674 h1.02
  text "10/09/23 - Alex. W, Bradley. R, William. B" at 53.383,41.594 h1.02
  text "For EEE30005 - Electrical Integrated Design Project" at 49.055,40.525 h1.02